# KiCad board TRS80IJP_1.kicad_pcb (continued)
## Copper pours and planes (outline as drawn; the poured copper is in the pictures) (continued)
+5V on Top: 223.05,80.76 245.45,80.65 253.8,74.8 257.52,74.78 258.12,74.35 258.12,73.23 257.57,72.61 252.08,72.62 248,66.72 242.16,66.7 239.44,65.24 238.53,63.61 237.55,63.8 237.47,64.48 238.44,67.12 241.41,68.25 244.75,68.29 246.49,70.36 246.44,76.79 244.36,78.16 222.1,78.14 220.56,79.71 188.78,79.64 186.64,77.6 185.32,77.6 183.35,79.1 183.25,81.31 183.84,81.76 190.96,81.76 221.65,81.84
+5V on Top: 322.32,160.47 327.29,160.47 327.81,160.99 334.81,160.99 336.16,162.34 346.69,162.34 348.01,160.68 379.57,160.68 381.25,162.36 383.98,162.36 383.98,158.43 330.01,158.43 329.52,157.94 319.75,157.94 317.5,161.15 310.56,161.18 310.56,164.03 320.38,164.03
+5V on Top: 199.8,40.66 240.05,40.66 240.51,40.2 246.86,40.2 247.42,40.76 278.54,40.76 278.84,41.06 293.31,41.06 294.2,40.17 296.01,40.17 296.83,40.99 310.4,40.99 311.76,39.63 317.39,39.63 317.66,39.36 317.66,37.92 310.52,37.92 309.56,38.88 195.26,38.88 194.32,39.82 176.62,39.82 176.31,39.51 168.53,39.51 168.11,39.09 162.17,39.09 161.45,38.37 159.35,38.37 158.05,37.07 146.19,37.07 145.56,36.44 135.17,36.44 134.52,37.09 131.13,37.09 130.47,36.43 127.62,36.43 126.72,37.33 116.17,37.33 115.22,36.38 112.41,36.38 111.7,37.09 99.1,37.09 98.37,36.36 7.82,36.36 7.15,37.03 7.15,38.7 101.74,38.7 102.17,39.13 127.36,39.13 127.84,38.65 152.1,38.65 153.1,39.65 159.17,39.65 161.57,41.19 178.41,41.19 178.86,41.64 183.25,41.64 184.23,42.62 197.84,42.62
+5V on Top: 142.41,68.27 146.49,68.27 147.55,67.17 159.01,67.25 160.6,69.14 171.54,69.18 177.56,61.58 180.26,61.58 180.21,63.75 181.65,63.75 181.7,60.21 176.69,60.24 173.07,64.96 170.35,64.95 168.52,67.11 160.93,67.05 159.57,65.23 154.57,65.21 153.67,66.03 143.34,65.92 141.28,67.6 131.95,67.55 131.12,67.31 116.99,67.27 115.88,66.53 115.84,65 110.15,64.98 109.42,64.35 77.87,64.39 77.03,65.18 68.37,65.26 67.94,64.81 23.64,64.78 22.34,63.23 9.21,63.04 8.64,62.34 7.78,62.34 7.27,62.78 7.23,65.75 7.79,66.23 8.79,66.09 9.27,65.45 10.2,65.44 21.45,65.59 22.48,66.89 67.42,66.99 68.15,67.3 89.13,67.14 90.18,66.3 110.72,66.28 113.96,67.13 117.15,69.4 140.47,69.4
+5V on Top: 122.21,128.45 124.04,126.62 165.89,126.62 171.07,121.44 195.47,121.44 196.12,120.79 197.31,120.79 197.96,121.44 200.04,121.44 200.79,120.69 200.79,119.79 200.32,119.03 138.96,119.03 137.72,120.27 105.14,120.27 103.97,121.44 102.25,121.44 101.05,122.64 100.58,122.64 99.4,121.46 99.4,120.26 7.02,120.26 7.02,124.14 33.76,124.14 33.76,126.75 34.42,127.41 46.68,127.41 47.47,126.62 47.47,125.44 48.01,124.32 58.78,124.32 60.94,122.16 72.4,122.16 74.39,124.15 100.52,124.15 102.94,126.57 117.79,126.57 117.79,130.17 122.21,130.17
+5V on Top: 45.71,166.1 45.71,163.89 18.83,163.89 18.38,163.44 6.64,163.62 6.01,162.63 4.47,162.66 4.47,166.56 4.94,167.03 44.78,167.03
+5V on Top: 280.74,183.33 280.74,161.31 277.86,161.31 277.86,175.15 277.35,175.66 273.11,175.66 272.57,176.2 272.57,181.63 262,181.63 261.23,180.86 261.23,170.68 260.66,170.11 258.94,170.11 258.94,184.11 279.96,184.11
+5V on Bottom: 406.47,171.97 406.47,2.96 405.91,2.4 401.45,2.4 401.45,41.33 400.26,42.52 400.26,72.67 395.25,77.38 395.24,91.83 394.31,92.76 389.55,92.76 389.55,98.71 394.33,98.71 395.36,99.74 395.36,122.43 396.36,123.43 396.36,125.44 394.76,127.04 394.76,131.32 396.24,132.8 396.24,146.16 398.88,146.16 398.88,159.76 385.32,159.76 383.99,158.43 382.32,158.43 381.74,159.01 381.74,165.2 382.59,166.05 387.75,166.05 388.7,167 388.7,172.95 405.49,172.95
+5V on Bottom: 6.27,166.06 6.27,125.68 7.28,124.67 9.17,124.67 9.17,120.74 6.76,120.74 6.34,120.32 6.34,95.15 7.12,94.37 16.75,94.37 16.75,92.37 6.76,92.37 6.29,91.9 6.29,82.74 7.49,80.76 7.49,66.16 8.92,66.16 8.92,62.16 6.76,62.16 6.32,61.72 6.32,56.48 5.3,55.46 5.3,52.63 5.57,52.41 5.57,38.87 5.63,38.93 5.63,38.87 11.55,38.87 11.55,36.54 1.18,36.54 0.98,36.74 0.98,166.18 1.51,166.71 5.62,166.71
+5V on Bottom: 287.69,160.44 303.26,160.44 309.18,164.04 315.53,164.04 315.53,161.18 310.06,161.18 304.04,157.55 286.45,157.55 282.96,161.79 278.84,161.81 278.84,164.68 284.21,164.68
+5V on Bottom: 242.54,138.96 242.5,136.78 244.01,135.25 250.57,135.21 250.56,133.32 250.06,132.94 240.66,132.94 239.91,133.65 240.12,138.57 240.12,139.59 241.77,139.87
+5V on Bottom: 186.82,79.21 186.8,76.95 184.82,76.95 184.49,76.64 184.38,58.18 185.4,57.15 185.47,55.95 184.36,54.95 184.35,53.17 183.46,53.16 180.37,53.16 180.22,63.59 181.03,64.48 181.09,80.77 184.24,80.79
+5V on Bottom: 258.12,75.05 257.83,72.41 256.52,68.63 255.15,68.6 254.41,67.76 252.51,67.8 252.12,68.54 252.14,69.12 252.47,70.38 254.01,75.16
+5V on Bottom: 313.65,98.14 313.67,92.15 313.89,91.39 314.8,90.59 316.1,90.59 317.48,88.37 321.07,88.33 321.76,87.81 321.78,85.4 321.45,84.95 315.31,84.94 310.21,80.24 310.14,65.68 309.83,65.1 307.48,65.11 306.81,65.59 306.79,69.69 306.92,81.22 310.27,86.09 310.29,97.67 310.66,98.15
GND on Top: 181.26,138.16 181.25,131.67 174.06,125.35 168.46,129.06 164.6,129.07 165.93,136.18 168.67,137.14 171.44,139.22 175.86,140.32
GND on Top: 55.48,183.16 55.55,175.64 56.33,174.51 58.99,174.51 59.99,175.27 60.01,182.38 61.1,183.77 186.04,183.77 188.59,181.22 188.59,144.36 185.95,144.36 184.4,146.69 184.4,164.74 180.64,168.5 175.8,168.5 175.8,143.62 181.26,138.16 181.07,130.6 179.67,135 176.43,137.07 171.77,137.21 167.75,133.76 167.75,129.04 125.62,129.04 123.45,132.2 117.36,132.18 113.04,128.66 100.13,128.68 98.76,126.25 76.46,126.22 73.19,129.14 59.12,129.03 59.1,130.03 58.35,130.75 48.47,130.76 47.71,131.23 47.71,137.74 47.27,138.18 43.08,138.18 42.47,137.57 42.47,136.43 41.87,135.83 29.02,135.83 28.12,136.73 28.12,156.46 29.64,157.98 31.98,157.98 32.52,158.52 32.52,160.12 32.93,160.53 45.61,160.53 47.39,162.31 47.39,168.59 45.64,170.34 45.64,172.74 44.35,174.03 34.94,174.03 34.11,173.2 34.11,168.94 33.42,168.25 25.95,168.25 25.23,168.97 25.23,172.86 24.06,174.03 14.96,174.03 14.27,174.72 6.1,174.72 6.1,178.09 7.2,178.09 7.63,178.49 7.65,183.82 25.61,183.82 26.77,182.66 26.82,176.52 26.8,175.9 27.97,174.59 31.17,174.62 32.4,175.94 32.4,178.09 32.38,183.04 33.76,184 54.05,184.28
GND on Top: 16.44,51.2 16.44,46.94 17.74,46.19 73.41,46.19 73.93,45.81 82.45,45.81 82.79,46.1 92.83,46.1 93.81,45.12 105.86,45.12 107.39,43.59 142.55,43.59 143.79,44.83 152.85,44.83 154.86,43.4 157.2,43.4 158.92,46.72 160.84,48.64 174.14,48.64 175.57,50.07 205.6,50.07 207.39,48.28 215.29,48.28 217.49,50.61 222.44,50.61 225.42,48.79 226.99,48.79 227.91,48.21 230.53,48.25 231.01,48.72 252.59,48.72 253.34,48.33 256.37,48.31 256.89,48.65 300.96,48.65 300.96,48.2 298.14,46.88 225.01,46.88 221.87,48.99 217.66,48.99 215.66,46.99 207.28,46.99 205.72,47.95 176.12,47.95 174.83,46.66 162.88,46.66 158.85,41.16 154.09,41.18 152.49,42.78 144.19,42.78 142.89,41.48 106.4,41.48 104.92,42.96 93.34,42.96 92.38,43.92 80.31,43.92 80.29,41.63 78.27,41.63 77.95,41.12 76.79,39.49 71.75,39.49 70.77,40.47 70.77,43.28 69.91,44.14 62.93,44.14 62.23,43.3 62.24,40.27 61.31,39.34 56.24,39.34 55.47,40.19 55.5,43.36 54.72,44.19 52.72,44.18 51.48,42.58 51.48,40.3 50.64,39.46 43.84,39.46 42.88,40.42 42.88,42.81 41.58,44.11 28.54,44.11 27.2,41.63 22.2,41.63 20.64,40.07 16.93,40.07 13.19,43.81 6.65,43.81 6.65,45.94 9.98,45.94 9.95,46.95 9.95,53.98 12.86,53.94
GND on Top: 339.08,24.42 339.08,13.94 340.42,12.6 354.33,12.69 356.89,14.65 374.6,14.53 371.47,9.21 331.72,9.21 330.25,10.68 313.19,10.68 308.77,5.32 304.74,5.33 307.46,8.47 307.03,10.67 304.75,13.12 301.97,13.18 299.88,10.84 301.06,6.88 290.1,7.05 286.12,9.89 288.66,12.64 294.37,12.65 295.33,13.5 295.32,15.21 294.43,15.92 283.48,15.91 278.86,18.47 270.48,18.49 268.82,16.67 263.33,16.69 261.86,18.44 259.64,18.44 259.24,17.79 223.89,17.76 222.56,15.97 194.05,15.97 192.89,17.13 172.71,17.08 166.65,14.31 158.07,14.35 157.04,13.23 113.6,13.25 112.1,14.85 109.92,14.87 109.37,14.28 98.33,14.33 96.46,16.09 11.71,16.09 11.71,18.29 33.38,18.29 37.2,22.11 48.54,22.11 52.4,18.25 108.68,18.25 109.87,17.06 118.95,17.06 120.55,15.46 151.43,15.46 151.82,15.07 156.89,15.07 160.02,18.2 171.47,18.2 172.69,19.42 192.94,19.42 194.76,17.6 221.15,17.6 223.71,20.16 255.76,20.16 256.27,20.67 266.82,20.67 267.56,19.93 281.19,19.93 284.34,18.08 294.69,18.08 296.88,20.27 308.5,20.27 317.27,14.12 320.18,14.12 326.11,20.67 331.63,20.68 332.45,19.86 332.45,13.74 333.63,12.56 336.03,12.56 337.09,13.62 337.09,37.8 344.33,37.8
GND on Top: 7.36,174.68 4.4,174.68 3.76,174.04 3.76,157.61 4.85,156.52 28.58,156.52 28.58,151.16 22.72,151.16 21.74,150.18 21.74,144.59 17.68,141.84 17.68,136.89 16.69,135.9 13.36,135.9 12.48,135.02 12.48,132.96 11.75,132.23 7.52,132.23 6.34,131.05 6.34,129.25 6.85,128.74 9.04,128.74 9.04,126.74 6.42,126.74 5.75,126.07 5.75,109.72 13.45,99.22 10.51,97.62 7.19,97.62 7.19,77.51 8.52,76.51 9.77,76.51 9.13,73.41 9.13,67.21 6.79,67.21 5.63,66.05 5.63,47.21 7.29,45.55 7.29,43.81 6,43.81 5.65,43.46 5.65,19.41 6.82,18.24 12.67,18.24 12.67,16.3 11.4,15.03 11.4,12.15 8.48,12.15 8.48,14.07 7.69,14.86 7.69,16.11 6.31,16.11 4.51,14.31 4.51,9 5.71,7.8 7.77,7.8 7.77,2.43 1.77,2.43 1.77,176.8 3.07,178.1 7.36,178.1
GND on Top: 17.04,88.56 17.12,80.23 21.06,76.76 21.65,76.79 22.24,76.38 24.61,76.39 25.18,76.01 25.53,74.62 26.06,74.07 47.24,74.16 47.8,74.72 47.81,84.33 50.83,86.6 51.87,86.61 51.88,85.25 49.45,83.54 49.51,74.82 49.86,74.18 53.81,74.2 54.37,75.72 55.8,75.69 56.23,74.2 62.4,74.26 64.35,73.01 75.33,72.98 76.84,71.54 79.41,71.54 80.53,72.57 98.56,72.6 100.4,73.73 101.4,73.6 102.13,72.71 104.54,72.67 105.92,71.44 105.96,69.66 103.1,69.8 101.81,70.69 93.34,70.59 91.71,69.48 76.04,69.45 74.73,70.85 65.66,70.95 65.15,70.46 59.41,70.4 58.14,68.63 34.42,68.8 33.25,70.15 31.5,70.16 30.61,69.08 30.57,67.68 27.05,67.74 18.66,75.9 12.78,75.88 9.11,73.28 9.05,76.36 11.41,77.71 11.36,88.68
GND on Top: 98.63,99.41 116.83,99.41 117.86,100.44 119.83,100.44 119.83,97.14 121.36,95.61 122.7,95.61 123.57,95.25 144.92,95.25 145.29,95.62 156.21,95.62 156.73,95.1 159.75,95.1 160.16,95.51 163.39,95.51 165.84,93.06 173.68,93.06 176.36,95.74 176.36,98.3 178.24,98.3 180.39,96.15 206.24,96.15 206.65,95.74 213.84,95.74 214.28,95.3 214.28,92.78 213.9,92.4 202.54,92.4 201.01,90.87 163.42,90.87 161.54,92.75 138.18,92.75 136.95,93.98 135.14,93.98 133.17,92.01 126.43,92.01 124.95,93.49 118.32,93.49 116.37,95.44 116.37,96.84 115.91,97.3 114.68,97.3 112.87,95.49 99.44,95.49 94.83,100.1 93.66,100.1 92.82,99.26 92.82,96.42 91.75,95.35 87.47,95.35 86.21,96.61 86.21,99.55 85.98,99.77 85.61,100.09 57.61,100.09 54.13,95.95 35.82,95.95 34.72,97.73 32.84,97.76 31.03,96.07 25.79,96.07 24.12,97.74 18.48,97.74 16.17,95.43 12.02,95.43 9.8,97.65 9.8,99.55 53.97,99.56 54.45,100.08 54.47,102.24 95.94,102.1
GND on Top: 338.09,174.57 338.11,173.97 337.79,173.44 337.79,167.87 338.59,167.07 375.36,167.07 375.36,169.61 377.59,169.61 377.59,168.27 380.62,168.27 380.62,171.72 405.1,171.72 405.59,171.23 405.59,47.44 404.26,46.11 382.25,46.11 377.48,41.34 355.39,41.28 353.58,42.07 339.35,42.07 336.52,44.9 336.52,48.59 341.2,48.59 344.03,45.76 346.7,45.76 346.7,43.7 354.75,43.7 356.46,46.12 375.2,46.12 378.82,49.74 398.86,49.74 400.17,51.05 400.17,51.83 399.18,52.82 383.73,52.82 382.57,53.98 382.57,58.06 381.12,59.51 377.44,59.51 376.47,60.48 376.47,62.89 383.09,69.51 384.81,69.51 384.81,67.26 388.84,63.23 395.16,63.23 398.86,66.93 398.86,74.99 399.75,74.99 399.75,77.9 398.58,79.07 384.55,79.07 376.76,70.29 353.13,70.28 349.18,74.16 346.58,74.16 342.56,71.38 342.15,71.42 342.13,73.26 342.13,76.59 349.86,76.59 352.34,74.11 355.58,74.11 359.18,77.71 373.21,77.71 374.39,78.89 374.39,80.44 373.61,81.22 365.46,81.22 364.67,82.01 364.67,85.89 365.61,86.83 367.97,86.83 368.99,87.85 368.99,89.01 368.05,89.95 367.33,89.95 367.33,91.58 393.44,91.58 394.6,92.74 394.6,98.82 393.76,99.66 389,99.66 385.4,96.81 354.78,96.81 354.8,96.83 353.27,98.36 345.11,98.37 340.33,94.91 329.5,94.91 329.5,98.34 340.08,98.39 345.33,102.23 362.86,102.23 366.8,106.17 391.61,106.17 392.28,106.84 392.28,108.42 391.53,109.17 373.08,109.17 369.9,111.09 369.9,120.81 370.73,121.64 398.74,121.64 399.81,122.71 399.81,130.99 398.75,132.05 397,132.05 396.56,132.49 396.56,135.54 395.29,136.81 390.28,136.81 388.53,135.06 388.53,128.7 387.67,127.84 380.35,127.84 379.33,128.86 379.33,132.31 374.93,136.71 372.6,136.71 361.68,150.33 384.35,150.33 385.06,151.04 385.06,152.28 383.43,153.91 359.99,153.91 359.99,155.89 383.76,155.89 385.91,158.04 385.91,162.06 384.6,163.37 380.72,163.37 378.86,161.51 349.78,161.69 347.32,164.91 335.54,164.91 333.22,167.17 333.19,170 335.02,171.05 335.08,172.34 337.1,174.58
GND on Bottom: 259.19,19.06 259.19,15.5 262.97,15.51 262.98,19.31 265.13,20.41 266.92,20.41 266.87,12.87 265.91,11.87 265.27,11.86 254.59,11.86 253.75,12.7 253.75,22.35 255.9,22.35
GND on Bottom: 208.79,142.07 208.32,139.64 210.18,137.04 213.53,136.91 215.7,139.53 215.27,142.3 213.46,143.82 237.1,143.76 238.02,142.84 238.02,133.01 236.4,133 235.75,133.57 234.6,134.82 200.12,134.82 195.11,129.81 184.7,129.79 179.94,126.63 177.97,137.35 184.46,133.01 188.67,133.01 188.67,142.34 190.09,143.76 210.64,143.81
GND on Bottom: 254.23,140.23 254.2,137.18 255.05,136.33 257.31,136.35 259.09,129.1 256.15,129.08 251.97,130.33 239.45,130.22 235.7,133.62 238.02,133.85 240.12,131.88 250.7,132 251.55,132.7 251.45,136.81 250.93,137.36 247.94,137.27 247.95,138.79 249.54,138.79 250.02,139.73 251.25,142.53
GND on Bottom: 177.65,137.53 179.94,126.63 184.7,129.79 184.46,133.01
GND on Bottom: 319.31,97.63 321.73,94.82 321.75,89.89 321.31,89.2 317.84,89.28 317.87,94.89 317.87,97.64
GND on Bottom: 133.47,30.73 131.07,28.33 131.07,13.51 128.11,13.51 128.11,33.48 129.23,33.48 130.39,34.64 130.39,45.34 133.47,45.34
GND on Bottom: 150.96,27.71 150.82,16.87 150.51,16.55 147.51,16.52 147.71,17.44 149.48,18.64 149.44,21.09 148.73,21.61 147.7,21.64 147.76,22.89 148.48,22.9 149.52,23.75 149.48,27.81 147.83,29.42 148.23,30.24 148.62,30.26
GND on Bottom: 358.53,37.63 359.53,36.02 365,36.02 364.82,11.93 358.03,5.39 356.25,5.35 355.71,7.36 355.71,71.6 356.72,72.61 356.72,78.7 358.53,78.7
GND on Bottom: 151.85,174.7 151.85,159.61 150.99,158.75 149.21,158.75 148.45,157.99 148.45,144.52 149.31,143.66 156.33,143.66 157.2,142.79 157.2,140.01 156.38,139.19 130.08,139.19 128.99,140.28 128.99,162.11 106.9,162.11 106.17,162.84 106.17,175.73 150.82,175.73
GND on Bottom: 387.16,167.2 380.59,167.2 380.59,172.9 387.16,172.9
GND on Bottom: 27.05,182.71 27.05,176.3 28.69,174.66 30.4,174.66 32.59,176.85 32.58,182.13 34.1,183.87 54.49,183.87 55.83,182.53 55.83,174.47 60.23,174.47 60.25,182.42 61.51,183.65 96.39,183.51 97.46,182.46 97.49,179.84 96.48,178.55 70.24,178.55 69.39,177.7 69.39,170.78 70.7,169.47 73.71,169.47 74.82,168.36 74.82,167.58 75.55,166.85 76.94,166.85 77.51,166.28 77.51,162.65 76.21,161.35 67.47,161.35 65.94,162.88 65.94,172.83 64.87,173.9 63.18,173.9 62.25,172.97 62.25,151.03 63.64,149.64 69.32,149.64 70.47,148.49 70.47,145.43 71.13,144.77 76.19,144.77 78.86,142.1 85.27,142.1 85.27,138.34 80.27,138.34 79.25,137.32 76.94,137.32 74.63,139.63 71.34,139.63 70.94,139.23 70.94,131.91 55.64,131.91 54.43,130.7 48.68,130.7 46.95,132.43 46.95,144.95 50.57,148.57 50.57,162.27 49.17,163.67 42.85,163.67 40.84,165.68 40.84,167.78 42.24,169.18 44.31,169.18 45.84,170.71 45.84,172.78 44.57,174.05 35.09,174.05 32.93,171.89 32.93,161.35 29.1,161.35 29.1,171.14 26.01,174.23 20.49,174.23 18.75,172.49 18.75,164.07 12.65,164.07 12.65,170.38 9.03,174 7.04,174 6.03,172.99 6.03,167.59 1.13,167.59 1.13,182.05 3.07,183.85 4.26,183.87 25.89,183.87
GND on Bottom: 295.71,135.46 292.1,132.44 280.45,132.42 275.9,128.55 274.75,128.52 274.81,131.94 276,135.61 278.71,135.6 295.72,135.83
(no net) on Top: 306.84,154.07 283.67,154.07 282.64,155.1 282.64,181.65 306.84,181.65
Net-(Q3-E) on Top: 239.22,181.28 239.22,134.12 238.28,133.18 190.96,133.18 189.93,134.21 189.82,181.47 190.79,182.23 197.94,182.31 238.19,182.31

## Text on the board
B.Silkscreen: JLCJLCJLCJLC
F.Silkscreen: C.G Arrangement		CGA		CGB | JP1	JP2	JP3	JP4	JP5 / LEVEL I ASCII	 X	 X	 X	C~2	C~2 / LEVEL II ASCII	 O	 O	 X	C~2	C~2 / Kana			 O	 O	 O	C~1	C~1 / Kana L/C		 O	 O	 O	C~1	C~2 | LEVEL I ASCII				ASCII / LEVEL II ASCII				ASCII / LEVEL II Kana		Kana / LEVEL II Kana L/C	Kana	ASCII | Field Freq.  JP6 JP7 JP8 JP10 / 50Hz	  C~2 C~2  C~2 C~2 / 60Hz	  C~1 C~1  C~1 C~1 | JP9 / Kana	X / ASCII	O | CASSETTE | E | VIDEO | 2 | 1 | C | POWER | RESET | US KEYBOARD | JP KEYBOARD | SN7404 | HD75452 | LM3900 | LS08 | LS132 | LS175 | TC7400 | LS14 | LS04 | LS10 | LS157 | LS93 | LS74 | LS92 | LS02 | LS20 | UDP2114LC | CGA | CGB | SN74166 | LS174 | LS153 | LS245 | LS32 | LS367 | LS11 | LS30 | LS139 | UDP416C | UA723C | LS00 | UPD780 | LS244 | X=Short / O=Open | B | The Board Folk 2023		Version 1.1 | 9 | 5 | Schematics Reproduction: / PCB Layout: Rob Taylor @peepouk | Ian Cudlip @grandoldian / Chrissy @chris_jh | 10 | 20 | 19 | 30 | 15 | 40 | ROM A | ROM B | TRS-80 MODEL I / (JAPAN) | +
